# Altium PCB XTIDA-010086.PcbDoc (part 11 of 17)
Units mm, origin at the board's own origin, x right, y up, seen from the top; angles counter-clockwise.
Board outline 375 x 210 mm, 6 copper layers (Top Layer, GND Layer, Signal Layer 1, Signal Layer 2, Power Layer, Bottom Layer), stack 1.575 mm thick; 1884 components, 1036 nets, 4948 pads, 6791 vias.
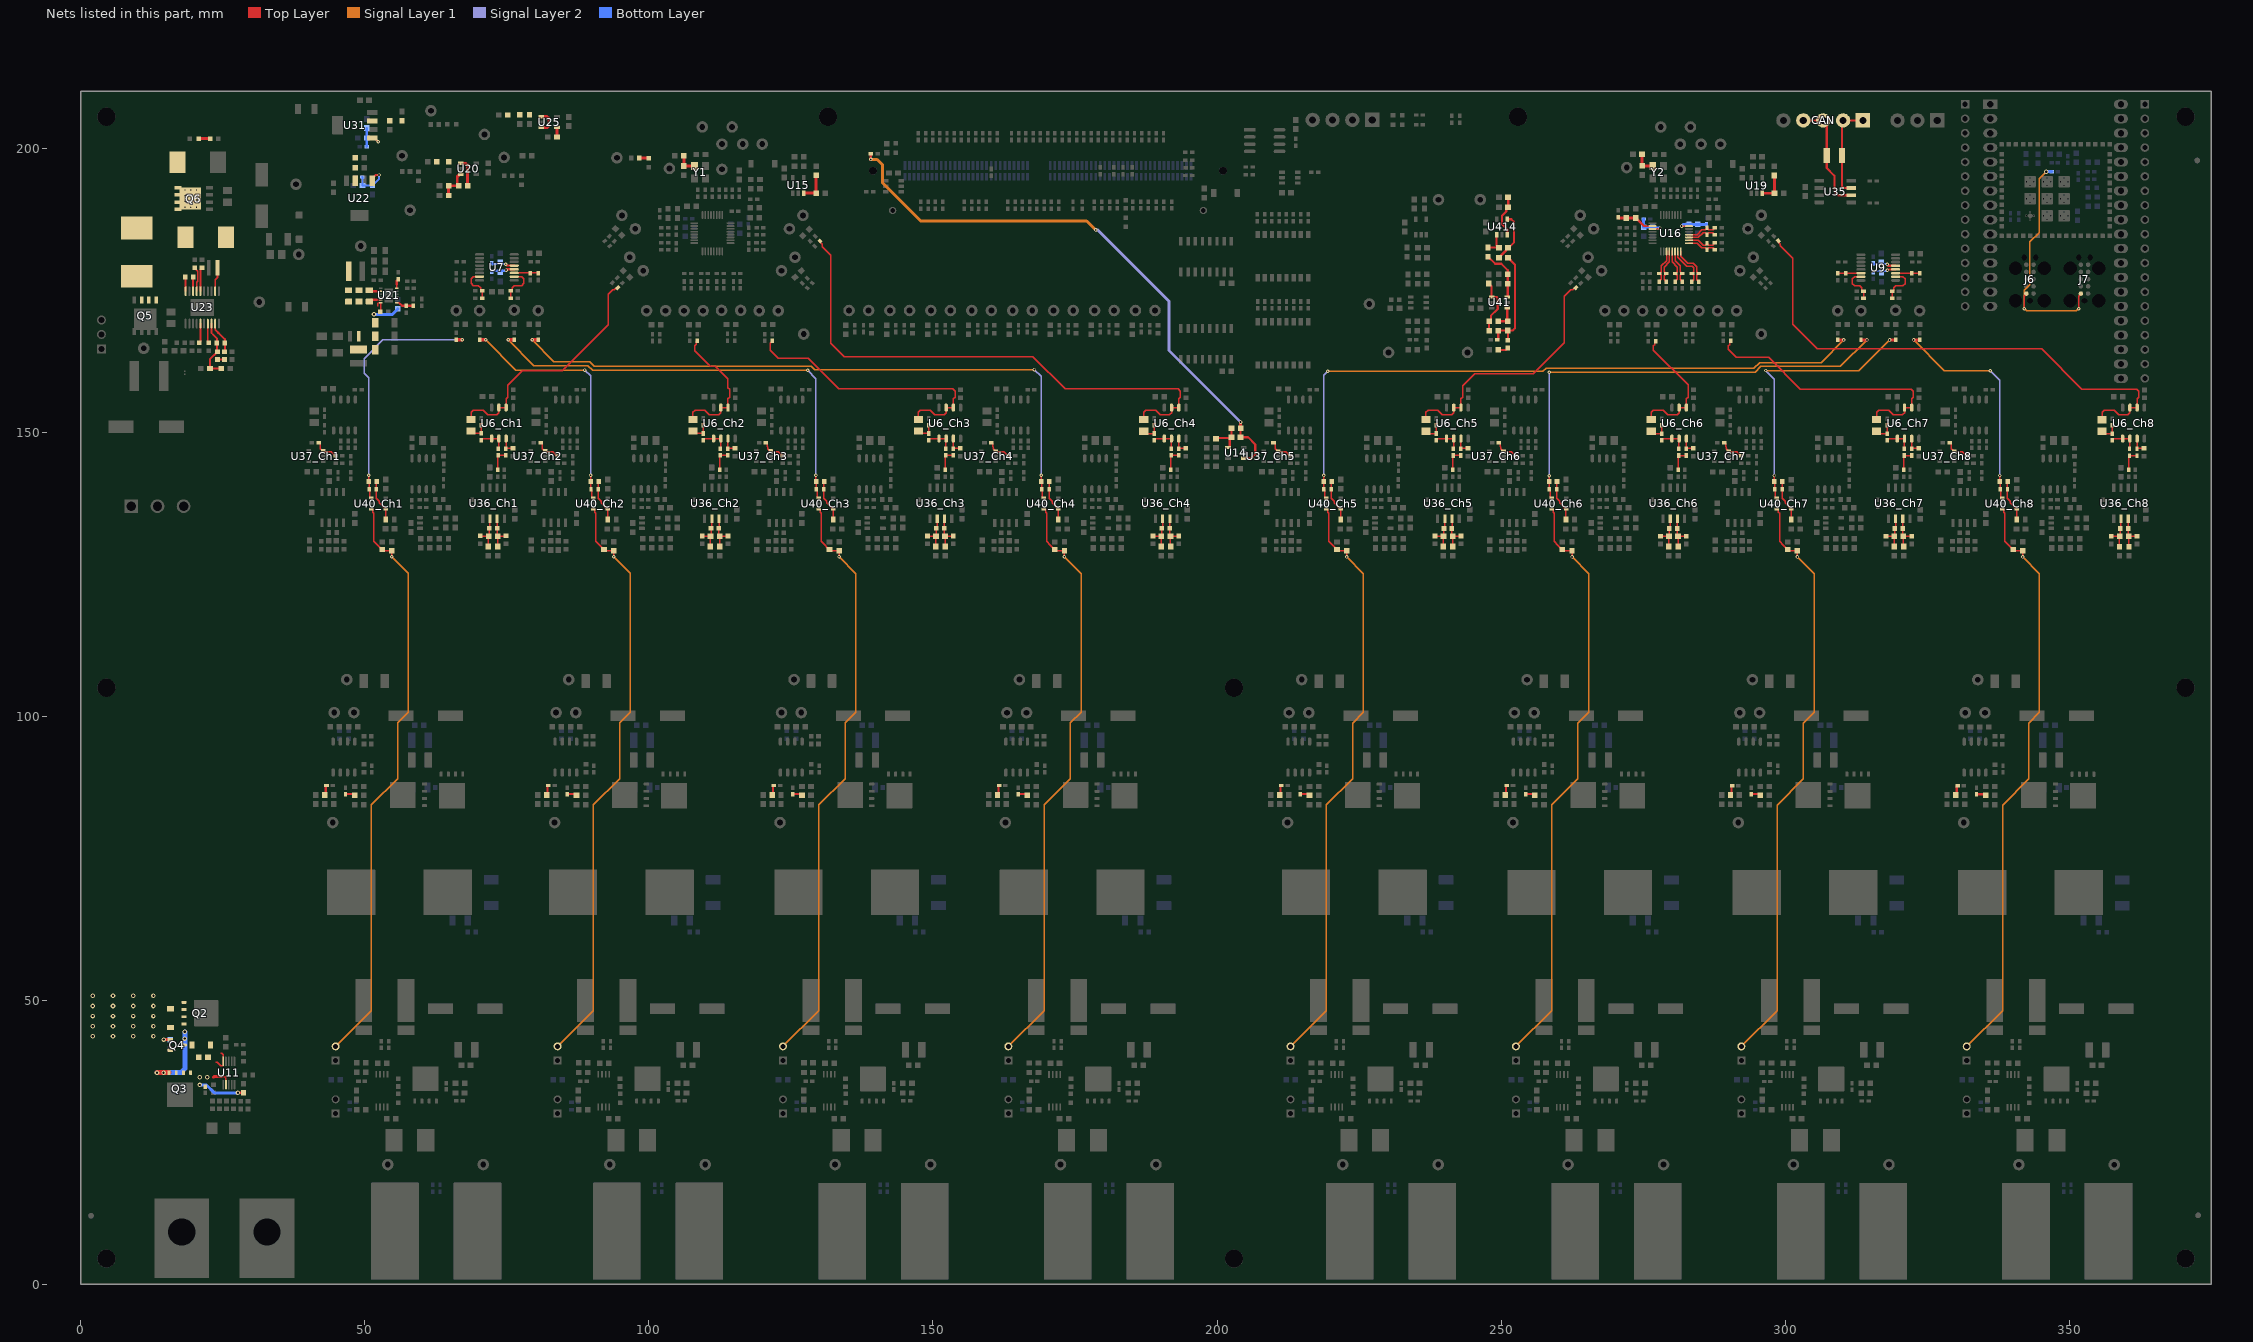
[diagram p15: the nets of this part, all layers, seen from the top]

## Via types
v1: diameter 0.813, hole 0.4, Top Layer to Bottom Layer, tented both sides, 4738 vias
v2: diameter 0.61, hole 0.3, Top Layer to Bottom Layer, tented both sides, 1254 vias
v3: diameter 0.813, hole 0.406, Top Layer to Bottom Layer, 728 vias
v4: diameter 0.5, hole 0.2, Top Layer to Bottom Layer, 40 vias
v5: diameter 5.45, hole 3.556, Top Layer to Bottom Layer, 16 vias
v6: diameter 5/3.65/3.65/3.65/3.65/5 (per signal layer), hole 3.2, Top Layer to Bottom Layer, 12 vias
v7: diameter 0.813, hole 0.4, Top Layer to Bottom Layer, 3 vias

## Nets (pads, with @x,y where several pads share a name; then routed paths per layer and width w, separated by ;. In a path a pad name is that pad's centre, name@x,y a point inside that pad or via, vN(x,y) a via of type N, cw(c..) or ccw(c..) an arc to the next point about the centre after c; other vN are vias at no path point) (continued)
NetC86_1: C86.1 R130.2 U16.3 | length 6.3
  Top Layer w0.254: R130.2@277.857,176.497 278.215,176.855 278.215,177.569 C86.1@277.881,177.904 278.227,178.25 278.227,179.261 279.134,180.168 279.134,181.119 279.138,181.123 U16.3@279.138,181.95
NetC86_2: C86.2 R131.2 U16.4 | length 6.3
  Top Layer w0.254: R131.2@279.081,176.497 278.723,176.855 278.723,177.546 C86.2@279.081,177.904 278.735,178.25 278.735,179.05 279.642,179.958 279.642,181.119 279.638,181.123 U16.4@279.638,181.95
NetC87_1: C87.1 R132.2 U16.5 | length 6.3
  Top Layer w0.254: U16.5@280.117,181.95 280.117,181.123 280.113,181.119 280.113,179.958 281.021,179.05 281.021,178.25 C87.1@280.675,177.904 281.033,177.546 281.033,176.855 R132.2@280.675,176.497
NetC87_2: C87.2 R134.2 U16.6 | length 6.3
  Top Layer w0.254: U16.6@280.617,181.95 280.617,181.123 280.621,181.119 280.621,180.168 281.529,179.261 281.529,178.25 C87.2@281.875,177.904 281.541,177.569 281.541,176.855 R134.2@281.899,176.497
NetC88_1: C88.1 R135.2 U16.7 | length 7.5
  Top Layer w0.254: 281.12,180.979 281.12,180.768 282.682,179.207 283.665,179.207 283.956,178.916 283.956,178.25 C88.1@283.61,177.904 283.956,177.558 283.956,176.853 R135.2@283.601,176.497 ; 281.124,180.975 281.128,180.979 U16.7@281.128,181.806
NetC88_2: C88.2 R138.2 U16.8 | length 7.5
  Top Layer w0.254: U16.8@281.628,181.806 281.628,180.979 282.892,179.715 283.876,179.715 284.464,179.127 284.464,178.25 C88.2@284.81,177.904 284.464,177.558 284.464,176.853 R138.2@284.82,176.497
NetC89_1: C89.1 R142.2 U16.9 | length 5.4
  Top Layer w0.254: U16.9@283.078,183.256 283.905,183.256 283.909,183.252 284.517,183.252 285.36,182.409 285.907,182.409 C89.1@286.253,182.063 286.599,182.409 287.314,182.409 R142.2@287.66,182.063
NetC89_2: C89.2 R144.2 U16.10 | length 5.4
  Top Layer w0.254: U16.10@283.078,183.756 283.905,183.756 283.909,183.76 284.728,183.76 285.57,182.917 285.907,182.917 C89.2@286.253,183.263 286.599,182.917 287.29,182.917 R144.2@287.66,183.287
NetC90_1: C90.1 C91.1 R146.2 U16.27 | length 5.6
  Top Layer w0.254: U16.27@276.678,185.756 277.831,185.756 v2(277.978,185.903)
  Bottom Layer w0.508: R146.2@275.097,187.511 R146.2@275.103,187.506 C90.1@275.103,186.06 275.107,186.056 C91.1@276.678,186.056 276.831,185.903 v2@277.839,185.903
NetC92_1: C92.1 R147.2 U16.11 | length 5.4
  Top Layer w0.254: U16.11@283.078,184.256 283.905,184.256 283.909,184.252 284.728,184.252 285.57,185.095 285.907,185.095 C92.1@286.253,184.749 286.599,185.095 287.29,185.095 R147.2@287.66,184.725
NetC92_2: C92.2 R148.2 U16.12 | length 5.4
  Top Layer w0.254: U16.12@283.078,184.756 283.905,184.756 283.909,184.76 284.517,184.76 285.36,185.603 285.907,185.603 C92.2@286.253,185.949 286.599,185.603 287.314,185.603 R148.2@287.66,185.949
NetC94_1: C94.1 C95.1 R149.1 U16.26 | length 6.7
  Top Layer w0.254: 275.505,186.256 U16.26@276.678,186.256
  Top Layer w0.381: 274.624,186.793 275.161,186.256 275.505,186.256
  Top Layer w0.508: R149.1@270.607,187.835 270.756,187.686 C95.1@272.055,187.686 C94.1@273.731,187.686 274.624,186.793
NetC96_2: C96.2 C97.2 R150.2 U16.15 | length 5.8
  Top Layer w0.254: v2(281.775,186.256) U16.15@283.078,186.256
  Bottom Layer w0.508: v2(281.775,186.256) 282.075,186.556 C97.2@283.078,186.556 284.641,186.556 C96.2@284.653,186.568 286.15,186.568 R150.2@286.162,186.555
NetC102_1: C102.1 R201.2 R202.2 U20.1 | length 5
  Top Layer w0.508: U20.1@66.86,197.288 67.8,197.288 68.096,196.993 R202.2@68.096,193.355
NetC104_1: C104.1 C106.1 C107.1 U21.11 | length 2.2
  Top Layer w0.254: 52.075,173.29 U21.11@52.804,173.29
  Top Layer w0.381: C104.1@50.775,172.965 51.1,173.29 52.075,173.29
NetC104_2: C104.2 C106.2 C107.2 L6.1 U21.8 | length 2.1
  Top Layer w0.254: 52.121,174.79 U21.8@52.804,174.79
  Top Layer w0.381: C104.2@50.775,174.965 50.949,174.79 52.121,174.79
NetC108_1: C108.1 R205.1 U22.3
NetC112_1: C112.1 D10.1 L3.1 Q5.1 Q5.2 Q5.3 U23.20 | length 2.5
  Top Layer w0.305: C112.1@18.388,177.31 18.449,177.249 18.442,177.249 18.442,174.808 U23.20@18.449,174.8
NetC112_2: C112.2 U23.18 | length 2.5
  Top Layer w0.305: U23.18@19.749,174.8 19.756,174.808 19.756,177.271 19.749,177.271 C112.2@19.788,177.31
NetC115_1: C115.1 C120.1 U23.9 | length 5.7
  Top Layer w0.305: U23.9@23.649,169.1 23.649,168.029 24.202,167.476
  Top Layer w0.381: 24.202,167.476 25.351,166.328 C115.1@25.351,165.677 25.351,164.232 C120.1@25.291,164.172
NetC115_2: C115.2 R212.1 R213.2 R214.1 U23.8 | length 10.9
  Top Layer w0.305: U23.8@22.999,169.1 22.999,167.444 23.331,167.113
  Top Layer w0.381: 23.331,167.113 23.951,166.493 C115.2@23.951,165.677 23.951,164.293 R212.1@24.072,164.172 22.72,162.82 R213.2@22.72,161.181 R214.1@24.689,161.181
NetC116_1: C116.1 U23.7 | length 3.5
  Top Layer w0.305: U23.7@22.349,169.1 22.349,165.871 C116.1@22.53,165.691
NetC117_1: C117.1 U23.5 | length 3.5
  Top Layer w0.305: C117.1@20.841,165.691 21.049,165.899 21.056,165.899 21.056,169.093 U23.5@21.049,169.1
NetC118_1: C118.1 U23.17 | length 4.4
  Top Layer w0.305: C118.1@20.053,178.896 20.053,178.842 20.574,178.322 20.574,176.573 20.399,176.398 U23.17@20.399,174.8
NetC119_1: C119.1 U23.16 | length 4.2
  Top Layer w0.305: U23.16@21.049,174.8 21.079,174.83 21.079,178.651 C119.1@21.323,178.896
NetC120_2: C120.2 R212.2 | length 1.2
  Top Layer w0.381: R212.2@24.072,162.772 C120.2@25.291,162.772
NetC122_1: C122.1 R160.2 U7.12 | length 4.2
  Top Layer w0.381: v2(74.854,178.509) 75.007,178.662 U7.12@76.288,178.662
  Bottom Layer w0.381: R160.2@72.349,178.19 72.349,178.29 72.459,178.399 74.628,178.399 74.737,178.509 v2(74.854,178.509)
NetC129_1: C129.1 R166.1 U7.13 | length 4.1
  Top Layer w0.381: v2(74.791,179.527) 75.007,179.312 U7.13@76.288,179.312
  Bottom Layer w0.381: R166.1@72.349,179.708 72.447,179.61 74.709,179.61 v2(74.791,179.527)
NetC130_1: C130.1 R168.2 U7.7 | length 6.5
  Top Layer w0.254: U7.7@70.188,177.362 69.054,177.362 68.682,176.99 68.682,176.152 69.054,175.78 69.993,175.78 70.365,175.408 70.365,175.02 70.538,174.847 C130.1@70.638,174.847 R168.2@70.638,173.551
NetC132_1: C132.1 R169.2 U7.10 | length 7
  Top Layer w0.254: R169.2@75.688,173.551 C132.1@75.688,174.847 75.788,174.847 75.961,175.02 75.961,175.408 76.333,175.78 77.583,175.78 77.955,176.152 77.955,176.995 77.583,177.367 76.293,177.367 U7.10@76.288,177.362
NetC133_1: C133.1 R172.2 U7.11 | length 4.2
  Top Layer w0.254: U7.11@76.288,178.012 80.465,178.012 R172.2@80.515,177.962
NetC138_1: C138.1 C139.1 R163.2 U25.1 U25.3 | length 4.2
  Top Layer w0.508: U25.3@81.061,203.622 82.108,203.622 82.372,203.886 82.372,205.232 82.083,205.522 U25.1@81.061,205.522
NetC141_1: C141.1 R176.1 U31.3
NetC142_1: C142.1 R188.2 R190.1 U22.1 | length 7.5
  Top Layer w0.381: U22.1@51.297,194.24 51.297,194.642 51.905,195.25 v2(52.502,195.25)
  Bottom Layer w0.381: R188.2@49.546,194.894 49.568,194.872 R190.1@49.568,193.396 49.598,193.426 C142.1@51.333,193.426 52.502,194.594 v2(52.502,195.25)
NetC143_1: C143.1 R189.2 R191.1 U31.1 | length 7
  Top Layer w0.381: U31.1@51.285,201.763 51.687,201.763 52.349,201.101 v2(52.349,201.092)
  Bottom Layer w0.381: R189.2@50.308,200.228 50.33,200.25 C143.1@50.33,201.767 ; R191.1@50.343,203.518 50.33,203.505 C143.1@50.33,201.767 ; v2(52.349,201.092) 51.674,201.767 C143.1@50.33,201.767
NetC144_1: C144.1 R177.1 U15.3 | length 5.4
  Top Layer w0.508: U15.3@127.247,192.033 127.264,192.049 C144.1@129.451,192.049 129.438,192.062 R177.1@129.438,195.212
NetC145_1: C145.1 R181.1 U19.3 | length 5.3
  Top Layer w0.508: U19.3@295.973,192.032 C145.1@298.16,192.032 ; C145.1@298.147,192.045 R181.1@298.147,195.194
NetC146_1: C146.1 R194.2 R202.1 U20.3 | length 5.9
  Top Layer w0.508: R194.2@64.742,191.647 C146.1@64.742,193.356 64.744,193.355 R202.1@66.496,193.355 66.253,193.597 66.253,194.949 66.693,195.388 U20.3@66.86,195.388
NetC147_Ch1_1: C147_Ch1.1 R61_Ch1.2 U37_Ch1.3 | length 4.4
  Top Layer w0.254: C147_Ch1.1@41.854,148.147 41.954,148.147 42.127,147.974 42.127,147.43 42.163,147.394 42.163,147.084 42.544,146.703 U37_Ch1.3@42.669,146.703 42.817,146.555 44.046,146.555 44.75,145.851 R61_Ch1.2@44.85,145.851
NetC147_Ch2_1: C147_Ch2.1 R61_Ch2.2 U37_Ch2.3 | length 4.4
  Top Layer w0.254: C147_Ch2.1@80.919,148.145 81.019,148.145 81.192,147.972 81.192,147.428 81.228,147.392 81.228,147.082 81.609,146.701 U37_Ch2.3@81.734,146.701 81.882,146.553 83.112,146.553 83.815,145.849 R61_Ch2.2@83.915,145.849
NetC147_Ch3_1: C147_Ch3.1 R61_Ch3.2 U37_Ch3.3 | length 4.4
  Top Layer w0.254: C147_Ch3.1@120.594,148.143 120.694,148.143 120.867,147.97 120.867,147.426 120.903,147.39 120.903,147.08 121.284,146.699 U37_Ch3.3@121.409,146.699 121.557,146.551 122.786,146.551 123.49,145.847 R61_Ch3.2@123.59,145.847
NetC147_Ch4_1: C147_Ch4.1 R61_Ch4.2 U37_Ch4.3 | length 4.4
  Top Layer w0.254: C147_Ch4.1@160.268,148.141 160.368,148.141 160.541,147.968 160.541,147.424 160.578,147.388 160.578,147.078 160.959,146.697 U37_Ch4.3@161.084,146.697 161.232,146.549 162.461,146.549 163.165,145.845 R61_Ch4.2@163.265,145.845
NetC147_Ch5_1: C147_Ch5.1 R61_Ch5.2 U37_Ch5.3 | length 4.4
  Top Layer w0.254: C147_Ch5.1@209.943,148.139 210.043,148.139 210.216,147.966 210.216,147.422 210.253,147.386 210.253,147.076 210.634,146.695 U37_Ch5.3@210.759,146.695 210.907,146.547 212.136,146.547 212.839,145.843 R61_Ch5.2@212.939,145.843
NetC147_Ch6_1: C147_Ch6.1 R61_Ch6.2 U37_Ch6.3 | length 4.4
  Top Layer w0.254: C147_Ch6.1@249.618,148.137 249.718,148.137 249.891,147.964 249.891,147.42 249.927,147.384 249.927,147.074 250.308,146.693 U37_Ch6.3@250.433,146.693 250.581,146.545 251.811,146.545 252.514,145.841 R61_Ch6.2@252.614,145.841
NetC147_Ch7_1: C147_Ch7.1 R61_Ch7.2 U37_Ch7.3 | length 4.4
  Top Layer w0.254: C147_Ch7.1@289.293,148.135 289.393,148.135 289.566,147.962 289.566,147.418 289.602,147.382 289.602,147.072 289.983,146.691 U37_Ch7.3@290.108,146.691 290.256,146.543 291.486,146.543 292.189,145.839 R61_Ch7.2@292.289,145.839
NetC147_Ch8_1: C147_Ch8.1 R61_Ch8.2 U37_Ch8.3 | length 4.4
  Top Layer w0.254: C147_Ch8.1@328.968,148.133 329.068,148.133 329.241,147.96 329.241,147.416 329.277,147.38 329.277,147.07 329.658,146.689 U37_Ch8.3@329.783,146.689 329.931,146.541 331.16,146.541 331.864,145.837 R61_Ch8.2@331.964,145.837
NetC148_1: C148.1 R98.1 Y1.1 | length 3.7
  Top Layer w0.508: R98.1@106.131,198.656 106.147,198.64 C148.1@106.147,196.825 106.155,196.833 Y1.1@108.044,196.833
NetC149_1: C149.1 R129.1 Y2.1 | length 5.8
  Top Layer w0.508: R129.1@274.805,198.674 274.82,198.658 274.82,196.842 C149.1@274.829,196.85 ; R129.1@274.815,198.907 274.829,198.894 C149.1@274.829,196.85 ; Y2.1@276.718,196.85 C149.1@274.829,196.85
NetC151_Ch1_1: C151_Ch1.1 R302_Ch1.1 U6_Ch1.1 U6_Ch1.2 | length 5.1
  Top Layer w0.254: R302_Ch1.1@70.51,148.549 70.51,148.649 70.683,148.822 72.273,148.822 U6_Ch1.1@72.314,148.862 U6_Ch1.2@73.584,148.862 73.546,148.824 73.546,147.12 C151_Ch1.1@73.508,147.082
NetC151_Ch1_2: C151_Ch1.2 R69_Ch1.2 R287_Ch1.1 | length 3.9
  Top Layer w0.254: R69_Ch1.2@73.415,143.338 73.415,145.789 C151_Ch1.2@73.508,145.882 R287_Ch1.1@74.828,145.882
NetC151_Ch2_1: C151_Ch2.1 R302_Ch2.1 U6_Ch2.1 U6_Ch2.2 | length 5.1
  Top Layer w0.254: R302_Ch2.1@109.576,148.547 109.576,148.647 109.749,148.82 111.339,148.82 U6_Ch2.1@111.379,148.86 U6_Ch2.2@112.649,148.86 112.611,148.822 112.611,147.118 C151_Ch2.1@112.573,147.08
NetC151_Ch2_2: C151_Ch2.2 R69_Ch2.2 R287_Ch2.1 | length 3.9
  Top Layer w0.254: R69_Ch2.2@112.48,143.336 112.48,145.787 C151_Ch2.2@112.573,145.88 R287_Ch2.1@113.894,145.88
NetC151_Ch3_1: C151_Ch3.1 R302_Ch3.1 U6_Ch3.1 U6_Ch3.2 | length 5.1
  Top Layer w0.254: R302_Ch3.1@149.25,148.545 149.25,148.645 149.423,148.818 151.013,148.818 U6_Ch3.1@151.054,148.858 U6_Ch3.2@152.324,148.858 152.286,148.82 152.286,147.116 C151_Ch3.1@152.248,147.078
NetC151_Ch3_2: C151_Ch3.2 R69_Ch3.2 R287_Ch3.1 | length 3.9
  Top Layer w0.254: R69_Ch3.2@152.155,143.334 152.155,145.785 C151_Ch3.2@152.248,145.878 R287_Ch3.1@153.568,145.878
NetC151_Ch4_1: C151_Ch4.1 R302_Ch4.1 U6_Ch4.1 U6_Ch4.2 | length 5.1
  Top Layer w0.254: R302_Ch4.1@188.925,148.543 188.925,148.643 189.098,148.816 190.688,148.816 U6_Ch4.1@190.729,148.856 U6_Ch4.2@191.999,148.856 191.96,148.818 191.96,147.114 C151_Ch4.1@191.922,147.076
NetC151_Ch4_2: C151_Ch4.2 R69_Ch4.2 R287_Ch4.1 | length 3.9
  Top Layer w0.254: R69_Ch4.2@191.83,143.332 191.83,145.783 C151_Ch4.2@191.922,145.876 R287_Ch4.1@193.243,145.876
NetC151_Ch5_1: C151_Ch5.1 R302_Ch5.1 U6_Ch5.1 U6_Ch5.2 | length 5.1
  Top Layer w0.254: R302_Ch5.1@238.6,148.541 238.6,148.641 238.773,148.814 240.363,148.814 U6_Ch5.1@240.403,148.854 U6_Ch5.2@241.673,148.854 241.635,148.816 241.635,147.112 C151_Ch5.1@241.597,147.074
NetC151_Ch5_2: C151_Ch5.2 R69_Ch5.2 R287_Ch5.1 | length 3.9
  Top Layer w0.254: R69_Ch5.2@241.504,143.33 241.504,145.781 C151_Ch5.2@241.597,145.874 R287_Ch5.1@242.918,145.874
NetC151_Ch6_1: C151_Ch6.1 R302_Ch6.1 U6_Ch6.1 U6_Ch6.2 | length 5.1
  Top Layer w0.254: R302_Ch6.1@278.275,148.539 278.275,148.639 278.448,148.812 280.038,148.812 U6_Ch6.1@280.078,148.852 U6_Ch6.2@281.348,148.852 281.31,148.814 281.31,147.11 C151_Ch6.1@281.272,147.072
NetC151_Ch6_2: C151_Ch6.2 R69_Ch6.2 R287_Ch6.1 | length 3.9
  Top Layer w0.254: R69_Ch6.2@281.179,143.328 281.179,145.779 C151_Ch6.2@281.272,145.872 R287_Ch6.1@282.593,145.872
NetC151_Ch7_1: C151_Ch7.1 R302_Ch7.1 U6_Ch7.1 U6_Ch7.2 | length 5.1
  Top Layer w0.254: R302_Ch7.1@317.95,148.537 317.95,148.637 318.123,148.81 319.713,148.81 U6_Ch7.1@319.753,148.85 U6_Ch7.2@321.023,148.85 320.985,148.812 320.985,147.108 C151_Ch7.1@320.947,147.07
NetC151_Ch7_2: C151_Ch7.2 R69_Ch7.2 R287_Ch7.1 | length 3.9
  Top Layer w0.254: R69_Ch7.2@320.854,143.326 320.854,145.777 C151_Ch7.2@320.947,145.87 R287_Ch7.1@322.268,145.87
NetC151_Ch8_1: C151_Ch8.1 R302_Ch8.1 U6_Ch8.1 U6_Ch8.2 | length 5.1
  Top Layer w0.254: R302_Ch8.1@357.624,148.535 357.624,148.635 357.797,148.808 359.387,148.808 U6_Ch8.1@359.428,148.848 U6_Ch8.2@360.698,148.848 360.66,148.81 360.66,147.106 C151_Ch8.1@360.622,147.068
NetC151_Ch8_2: C151_Ch8.2 R69_Ch8.2 R287_Ch8.1 | length 3.9
  Top Layer w0.254: R69_Ch8.2@360.529,143.324 360.529,145.775 C151_Ch8.2@360.622,145.868 R287_Ch8.1@361.942,145.868
NetC152_1: C152.1 C153.1 C154.1 C155.1 C156.1 L5.2 R195.1 U21.12 | length 7.4
  Top Layer w0.254: 52.299,172.136 52.299,172.669 52.42,172.79 U21.12@52.804,172.79 52.804,171.291 C155.1@52.686,171.173
  Bottom Layer w0.508: v1(51.613,170.713) 54.811,170.713 54.818,170.706 R195.1@55.804,171.691
NetC159_2: C159.2 U21.6 | length 1.8
  Top Layer w0.254: U21.6@55.604,175.29 55.604,175.997
  Top Layer w0.381: 55.604,175.997 55.604,176.619 C159.2@55.905,176.921
NetC164_1: C164.1 R198.2 U21.1 | length 3.2
  Top Layer w0.254: U21.1@55.604,172.79 55.987,172.79 56.236,172.542
  Top Layer w0.381: 56.236,172.542 56.55,172.228 C164.1@57.252,172.228 58.541,172.228 R198.2@58.547,172.222
NetC165_1: C165.1 U25.4 | length 1.7
  Top Layer w0.508: C165.1@83.807,201.93 83.811,201.934 U25.4@83.811,203.622
NetC168_Ch1_1: C168_Ch1.1 C171_Ch1.1 R16_Ch1.1 R72_Ch1.2 U36_Ch1.2 | length 6.5
  Top Layer w0.254: C171_Ch1.1@70.311,131.707 70.376,131.642 R72_Ch1.2@71.784,131.642 ; R16_Ch1.1@71.751,129.851 71.751,131.609 R72_Ch1.2@71.784,131.642 ; U36_Ch1.2@72.015,134.76 72.015,133.209 C168_Ch1.1@71.864,133.058 71.864,131.722 R72_Ch1.2@71.784,131.642
NetC168_Ch1_2: C168_Ch1.2 C172_Ch1.1 R72_Ch1.1 R291_Ch1.1 U36_Ch1.3 | length 6.5
  Top Layer w0.254: U36_Ch1.3@73.285,134.76 73.285,133.079 C168_Ch1.2@73.264,133.058 73.264,131.761 R72_Ch1.1@73.384,131.642 ; R291_Ch1.1@73.415,129.851 73.384,129.882 R72_Ch1.1@73.384,131.642 ; C172_Ch1.1@74.844,131.707 74.779,131.642 R72_Ch1.1@73.384,131.642
NetC168_Ch2_1: C168_Ch2.1 C171_Ch2.1 R16_Ch2.1 R72_Ch2.2 U36_Ch2.2 | length 6.5
  Top Layer w0.254: C171_Ch2.1@109.376,131.705 109.441,131.64 R72_Ch2.2@110.849,131.64 ; R16_Ch2.1@110.816,129.849 110.816,131.607 R72_Ch2.2@110.849,131.64 ; U36_Ch2.2@111.08,134.758 111.08,133.207 C168_Ch2.1@110.929,133.056 110.929,131.72 R72_Ch2.2@110.849,131.64
NetC168_Ch2_2: C168_Ch2.2 C172_Ch2.1 R72_Ch2.1 R291_Ch2.1 U36_Ch2.3 | length 6.5
  Top Layer w0.254: U36_Ch2.3@112.35,134.758 112.35,133.077 C168_Ch2.2@112.329,133.056 112.329,131.759 R72_Ch2.1@112.449,131.64 ; R291_Ch2.1@112.48,129.849 112.449,129.88 R72_Ch2.1@112.449,131.64 ; C172_Ch2.1@113.91,131.705 113.845,131.64 R72_Ch2.1@112.449,131.64
NetC168_Ch3_1: C168_Ch3.1 C171_Ch3.1 R16_Ch3.1 R72_Ch3.2 U36_Ch3.2 | length 6.5
  Top Layer w0.254: C171_Ch3.1@149.051,131.703 149.116,131.638 R72_Ch3.2@150.524,131.638 ; R16_Ch3.1@150.491,129.847 150.491,131.605 R72_Ch3.2@150.524,131.638 ; U36_Ch3.2@150.755,134.756 150.755,133.205 C168_Ch3.1@150.604,133.054 150.604,131.718 R72_Ch3.2@150.524,131.638
NetC168_Ch3_2: C168_Ch3.2 C172_Ch3.1 R72_Ch3.1 R291_Ch3.1 U36_Ch3.3 | length 6.5
  Top Layer w0.254: U36_Ch3.3@152.025,134.756 152.025,133.075 C168_Ch3.2@152.004,133.054 152.004,131.757 R72_Ch3.1@152.124,131.638 ; R291_Ch3.1@152.155,129.847 152.124,129.878 R72_Ch3.1@152.124,131.638 ; C172_Ch3.1@153.584,131.703 153.519,131.638 R72_Ch3.1@152.124,131.638
NetC168_Ch4_1: C168_Ch4.1 C171_Ch4.1 R16_Ch4.1 R72_Ch4.2 U36_Ch4.2 | length 6.5
  Top Layer w0.254: C171_Ch4.1@188.726,131.701 188.791,131.636 R72_Ch4.2@190.199,131.636 ; R16_Ch4.1@190.166,129.845 190.166,131.603 R72_Ch4.2@190.199,131.636 ; U36_Ch4.2@190.43,134.754 190.43,133.203 C168_Ch4.1@190.279,133.052 190.279,131.716 R72_Ch4.2@190.199,131.636
NetC168_Ch4_2: C168_Ch4.2 C172_Ch4.1 R72_Ch4.1 R291_Ch4.1 U36_Ch4.3 | length 6.5
  Top Layer w0.254: U36_Ch4.3@191.7,134.754 191.7,133.073 C168_Ch4.2@191.679,133.052 191.679,131.755 R72_Ch4.1@191.799,131.636 ; R291_Ch4.1@191.83,129.845 191.799,129.876 R72_Ch4.1@191.799,131.636 ; C172_Ch4.1@193.259,131.701 193.194,131.636 R72_Ch4.1@191.799,131.636
NetC168_Ch5_1: C168_Ch5.1 C171_Ch5.1 R16_Ch5.1 R72_Ch5.2 U36_Ch5.2 | length 6.5
  Top Layer w0.254: C171_Ch5.1@238.401,131.699 238.466,131.634 R72_Ch5.2@239.873,131.634 ; R16_Ch5.1@239.841,129.843 239.841,131.601 R72_Ch5.2@239.873,131.634 ; U36_Ch5.2@240.104,134.752 240.104,133.201 C168_Ch5.1@239.954,133.05 239.954,131.714 R72_Ch5.2@239.873,131.634
NetC168_Ch5_2: C168_Ch5.2 C172_Ch5.1 R72_Ch5.1 R291_Ch5.1 U36_Ch5.3 | length 6.5
  Top Layer w0.254: U36_Ch5.3@241.374,134.752 241.374,133.071 C168_Ch5.2@241.354,133.05 241.354,131.753 R72_Ch5.1@241.473,131.634 ; R291_Ch5.1@241.504,129.843 241.473,129.874 R72_Ch5.1@241.473,131.634 ; C172_Ch5.1@242.934,131.699 242.869,131.634 R72_Ch5.1@241.473,131.634
NetC168_Ch6_1: C168_Ch6.1 C171_Ch6.1 R16_Ch6.1 R72_Ch6.2 U36_Ch6.2 | length 6.5
  Top Layer w0.254: C171_Ch6.1@278.075,131.697 278.14,131.632 R72_Ch6.2@279.548,131.632 ; R16_Ch6.1@279.515,129.841 279.515,131.599 R72_Ch6.2@279.548,131.632 ; U36_Ch6.2@279.779,134.75 279.779,133.199 C168_Ch6.1@279.629,133.048 279.629,131.712 R72_Ch6.2@279.548,131.632
NetC168_Ch6_2: C168_Ch6.2 C172_Ch6.1 R72_Ch6.1 R291_Ch6.1 U36_Ch6.3 | length 6.5
  Top Layer w0.254: U36_Ch6.3@281.049,134.75 281.049,133.069 C168_Ch6.2@281.029,133.048 281.029,131.751 R72_Ch6.1@281.148,131.632 ; R291_Ch6.1@281.179,129.841 281.148,129.872 R72_Ch6.1@281.148,131.632 ; C172_Ch6.1@282.609,131.697 282.544,131.632 R72_Ch6.1@281.148,131.632
NetC168_Ch7_1: C168_Ch7.1 C171_Ch7.1 R16_Ch7.1 R72_Ch7.2 U36_Ch7.2 | length 6.5
  Top Layer w0.254: C171_Ch7.1@317.75,131.695 317.815,131.63 R72_Ch7.2@319.223,131.63 ; R16_Ch7.1@319.19,129.839 319.19,131.597 R72_Ch7.2@319.223,131.63 ; U36_Ch7.2@319.454,134.748 319.454,133.197 C168_Ch7.1@319.303,133.046 319.303,131.71 R72_Ch7.2@319.223,131.63
NetC168_Ch7_2: C168_Ch7.2 C172_Ch7.1 R72_Ch7.1 R291_Ch7.1 U36_Ch7.3 | length 6.5
  Top Layer w0.254: U36_Ch7.3@320.724,134.748 320.724,133.067 C168_Ch7.2@320.703,133.046 320.703,131.749 R72_Ch7.1@320.823,131.63 ; R291_Ch7.1@320.854,129.839 320.823,129.87 R72_Ch7.1@320.823,131.63 ; C172_Ch7.1@322.284,131.695 322.219,131.63 R72_Ch7.1@320.823,131.63
NetC168_Ch8_1: C168_Ch8.1 C171_Ch8.1 R16_Ch8.1 R72_Ch8.2 U36_Ch8.2 | length 6.5
  Top Layer w0.254: C171_Ch8.1@357.425,131.693 357.49,131.628 R72_Ch8.2@358.898,131.628 ; R16_Ch8.1@358.865,129.837 358.865,131.595 R72_Ch8.2@358.898,131.628 ; U36_Ch8.2@359.129,134.746 359.129,133.195 C168_Ch8.1@358.978,133.044 358.978,131.708 R72_Ch8.2@358.898,131.628